# Altium PCB RockerBox_Rev01.PcbDoc (part 2 of 8) (continued)
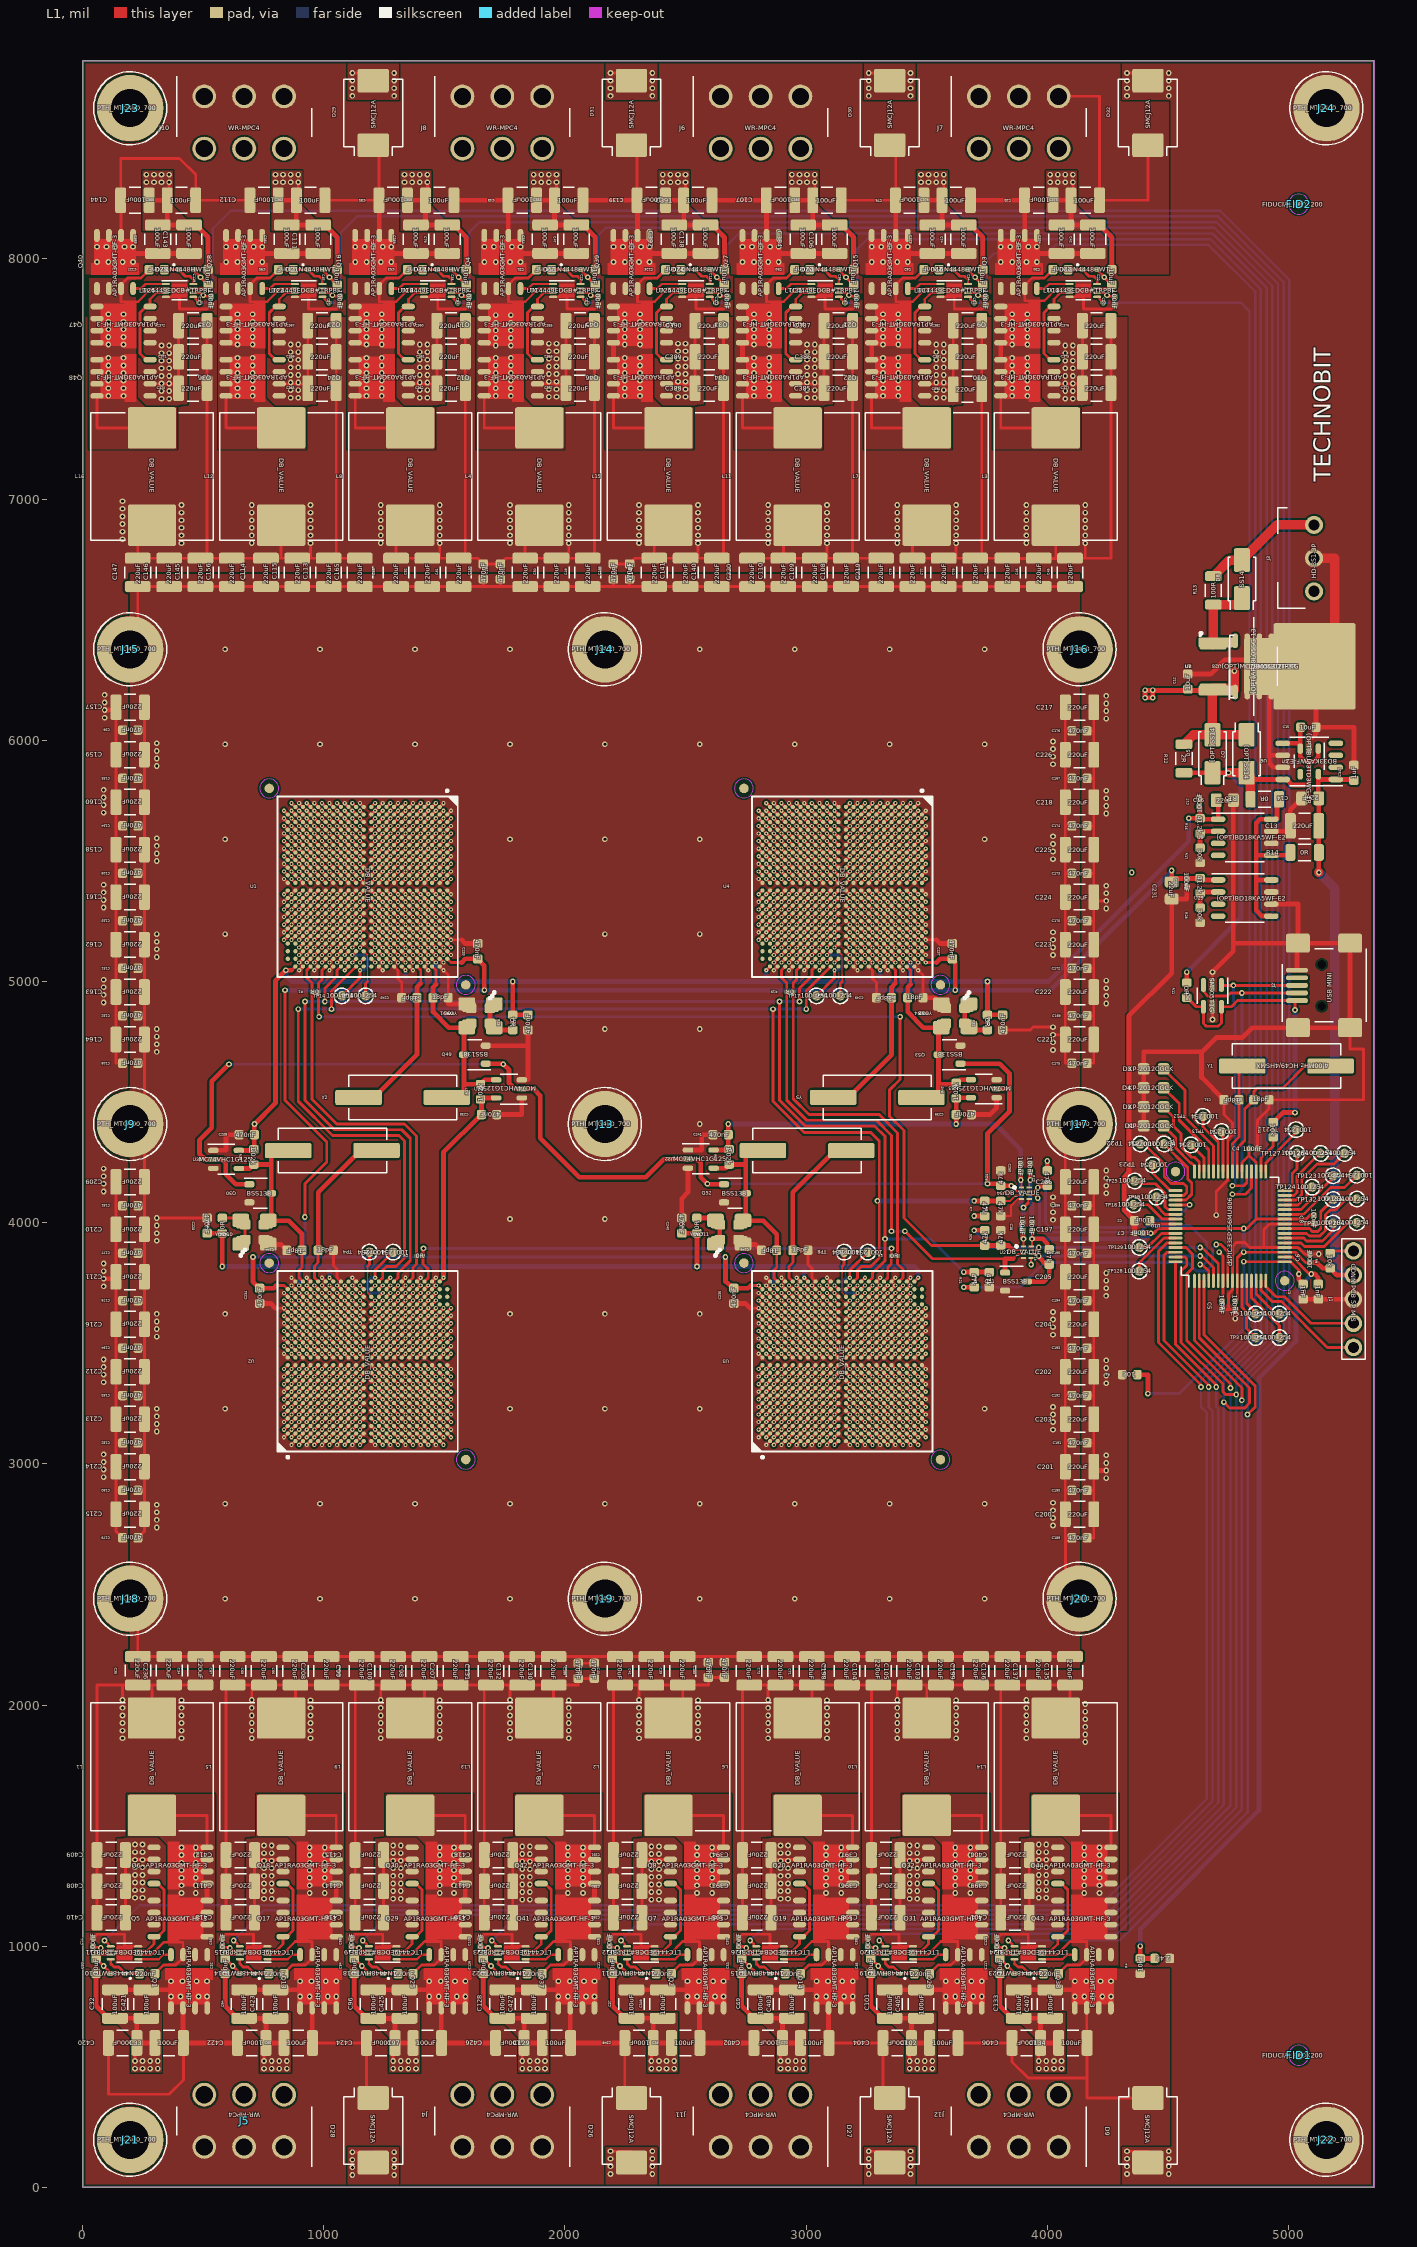
[diagram p0: L1 view]
## Components (designator, comment, footprint, x,y, rotation, side; value= is the part's Value field where it differs from the comment) (continued)
R2 "0R" SMD_0201_RESC0603X26N 1397.64,3862.2 r0 top
R3 "0R" SMD_0201_RESC0603X26N 3366.14,3862.2 r0 top
R4 "10k" SMD_0603_RESC1608X55N 4385.83,917.32 r90 top
R5 "2.4k" SMD_0603_RESC1608X55N 4476.38,948.82 r180 top
R6 "10k" SMD_0603_RESC1608X55N 4342.52,3370.08 r180 top
R7 "47k" SMD_0603_RESC1608X55N 3740.35,4059.06 r270 top
R8 "47k" SMD_0603_RESC1608X55N 3807.28,4059.06 r270 top
R9 "10k" SMD_0603_RESC1608X55N 5173.23,3842.52 r270 top
R10 "10k" SMD_0603_RESC1608X55N 4937.01,4385.83 r270 top
R11 "0R" SMD_0603_RESC1608X55N 4578.74,4964.57 r270 top
R12 "2R" SMD_1206_RESC3216X65N 4566.93,5925.2 r270 top
R13 "100R" SMD_1206_RESC3216X65N 4688.98,6622.05 r90 top
R14 "0R" SMD_1206_RESC3216X65N 5066.93,5535.43 r0 top
R15 "0R" SMD_1206_RESC3216X65N 4901.57,5755.91 r180 top
R16 "41.2k" SMD_0603_RESC1608X55N 4633.86,5645.67 r270 top
R17 "30k" SMD_0603_RESC1608X55N 4633.86,5523.62 r270 top
R18 "47k" SMD_0603_RESC1608X55N 4008.07,3858.27 r270 top
R19 "0R" SMD_0201_RESC0603X26N 2933.07,4956.69 r180 top
R20 "47k" SMD_0603_RESC1608X55N 3740.35,3937.01 r90 top
R21 "47k" SMD_0603_RESC1608X55N 3696.85,3763.78 r270 top
R22 "47k" SMD_0603_RESC1608X55N 3807.28,3937.01 r90 top
R23 "47k" SMD_0603_RESC1608X55N 4000.2,4185.04 r270 top
R24 "47k" SMD_0603_RESC1608X55N 3807.09,4185.04 r90 top
R25 "0R" SMD_0603_RESC1608X55N 1783.46,4830.71 r270 top
R26 "0R" SMD_0603_RESC1608X55N 578.74,3988.19 r90 top
R27 "41.2k" SMD_0603_RESC1608X55N 4633.86,5397.64 r270 top
R28 "30k" SMD_0603_RESC1608X55N 4633.86,5275.59 r270 top
R29 "47k" SMD_0603_RESC1608X55N 3759.84,3763.78 r270 top
R30 "0R" SMD_0603_RESC1608X55N 2547.24,3988.19 r90 top
R31 "0R" SMD_0603_RESC1608X55N 3751.97,4830.71 r270 top
R37 "1.02k" SMD_0603_RESC1608X55N 1649.61,4543.31 r90 top
R39 "1.02k" SMD_0603_RESC1608X55N 710.22,4273.06 r270 top
R41 "1.02k" SMD_0603_RESC1608X55N 2681.1,4273.06 r270 top
R43 "1.02k" SMD_0603_RESC1608X55N 3622.19,4548.11 r90 top
TP1 "100_254" SMD_TP_100-254 1173.23,4940.94 r0 top
TP2 "100_254" SMD_TP_100-254 5283.46,4196.85 r180 top
TP3 "100_254" SMD_TP_100-254 4864.17,3523.62 r0 top
TP4 "100_254" SMD_TP_100-254 1188.98,3877.95 r180 top
TP5 "100_254" SMD_TP_100-254 4864.17,3622.05 r0 top
TP6 "100_254" SMD_TP_100-254 4962.6,3523.62 r0 top
TP7 "100_254" SMD_TP_100-254 4962.6,3622.05 r0 top
TP8 "100_254" SMD_TP_100-254 3157.48,3877.95 r180 top
TP9 "100_254" SMD_TP_100-254 3141.73,4940.94 r0 top
TP10 "100_254" SMD_TP_100-254 5283.46,4000 r0 top
TP11 "100_254" SMD_TP_100-254 5185.04,3998.03 r0 top
TP12 "100_254" SMD_TP_100-254 4645.67,4440.94 r180 top
TP13 "100_254" SMD_TP_100-254 4722.44,4377.95 r180 top
TP14 "100_254" SMD_TP_100-254 1074.8,4940.94 r0 top
TP15 "100_254" SMD_TP_100-254 1287.4,3877.95 r180 top
TP16 "100_254" SMD_TP_100-254 3255.91,3877.95 r180 top
TP17 "100_254" SMD_TP_100-254 3043.31,4940.94 r0 top
TP18 "100_254" SMD_TP_100-254 4358.27,4074.8 r0 top
TP19 "100_254" SMD_TP_100-254 4452.76,4106.3 r0 top
TP20 "100_254" SMD_TP_100-254 4484.25,4326.77 r0 top
TP21 "100_254" SMD_TP_100-254 5031.5,4385.83 r180 top
TP22 "100_254" SMD_TP_100-254 4385.83,4326.77 r180 top
TP23 "100_254" SMD_TP_100-254 4437.01,4240.16 r180 top
TP24 "100_254" SMD_TP_100-254 4596.46,4322.83 r180 top
TP25 "100_254" SMD_TP_100-254 4362.2,4173.23 r0 top
TP123 "100_254" SMD_TP_100-254 5185.04,4194.88 r0 top
TP124 "100_254" SMD_TP_100-254 5098.43,4147.64 r0 top
TP125 "100_254" SMD_TP_100-254 5232.28,4287.4 r0 top
TP126 "100_254" SMD_TP_100-254 5133.86,4287.4 r0 top
TP127 "100_254" SMD_TP_100-254 5035.43,4287.4 r0 top
TP128 "100_254" SMD_TP_100-254 4381.89,3799.21 r0 top
TP129 "100_254" SMD_TP_100-254 4381.89,3897.64 r0 top
TP131 "100_254" SMD_TP_100-254 5283.46,4098.43 r0 top
TP132 "100_254" SMD_TP_100-254 5185.04,4096.46 r0 top
U1 "DB_VALUE" SMD_BGA480C80P22X22 1181.1,5393.7 r270 top
U2 "DB_VALUE" SMD_BGA480C80P22X22 1181.1,3425.2 r90 top
U3 "DB_VALUE" SMD_BGA480C80P22X22 3149.61,3425.2 r90 top
U4 "DB_VALUE" SMD_BGA480C80P22X22 3149.61,5393.7 r270 top
U5 "(OPT)BU33TD3WG-TR" SMD_SOT95P280X135-5N 5086.61,5913.39 r270 top
U6 "BD33KA5WF-E2" SMD_SOIC127P620X160-8N 5086.61,5913.39 r180 top
U7 "L7805CD2T-TR" SMD_TO254P1542X460-3_4N 4952.76,6307.09 r0 top
U8 "(OPT)MC78M05BDTRKG" SMD_TO229P991X239-4N_DPAK 4850.39,6307.09 r0 top
U9 "(OPT)BD18KA5WF-E2" SMD_SOIC127P620X160-8N 4818.9,5598.43 r0 top
U10 "dsPIC33EP256MU806" SMD_QFP50P1200X1200X120-64N 4758.17,3985.55 r90 top
U11 "LTC4449EDCB#TRPBF" SMD_SON45P300X200X80-9N 173.23,972.44 r180 top
U12 "LTC4449EDCB#TRPBF" SMD_SON45P300X200X80-9N 2314.96,972.44 r180 top
U13 "LTC4449EDCB#TRPBF" SMD_SON45P300X200X80-9N 4149.61,7866.14 r0 top
U14 "LTC4449EDCB#TRPBF" SMD_SON45P300X200X80-9N 2007.87,7866.14 r0 top
U15 "LTC4449EDCB#TRPBF" SMD_SON45P300X200X80-9N 708.66,972.44 r180 top
U16 "LTC4449EDCB#TRPBF" SMD_SON45P300X200X80-9N 2850.39,972.44 r180 top
U17 "LTC4449EDCB#TRPBF" SMD_SON45P300X200X80-9N 3614.17,7866.14 r0 top
U18 "LTC4449EDCB#TRPBF" SMD_SON45P300X200X80-9N 1472.44,7866.14 r0 top
U19 "LTC4449EDCB#TRPBF" SMD_SON45P300X200X80-9N 1244.09,972.44 r180 top
U20 "LTC4449EDCB#TRPBF" SMD_SON45P300X200X80-9N 3385.83,972.44 r180 top
U21 "LTC4449EDCB#TRPBF" SMD_SON45P300X200X80-9N 3078.74,7866.14 r0 top
U22 "LTC4449EDCB#TRPBF" SMD_SON45P300X200X80-9N 937.01,7866.14 r0 top
U23 "LTC4449EDCB#TRPBF" SMD_SON45P300X200X80-9N 1779.53,972.44 r180 top
U24 "LTC4449EDCB#TRPBF" SMD_SON45P300X200X80-9N 3921.26,972.44 r180 top
U25 "LTC4449EDCB#TRPBF" SMD_SON45P300X200X80-9N 2543.31,7866.14 r0 top
U26 "LTC4449EDCB#TRPBF" SMD_SON45P300X200X80-9N 401.57,7866.14 r0 top
U27 "DB_VALUE" SMD_PSON40P120X180X40-8N 3917.52,3877.95 r0 top
U28 "(OPT)AP78L05SG-13" SMD_SOIC127P600X175-8N 4854.33,6307.09 r90 top
U29 "(OPT)BD18KA5WF-E2" SMD_SOIC127P620X160-8N 4818.9,5346.46 r0 top
U30 "MC74VHC1G125" SMD_SOT95P280X110-5N 1767.72,4555.12 r180 top
U31 "MC74VHC1G125" SMD_SOT95P280X110-5N 594.52,4262.78 r0 top
U32 "MC74VHC1G125" SMD_SOT95P280X110-5N 2563.02,4263.78 r0 top
U33 "MC74VHC1G125" SMD_SOT95P280X110-5N 3736.82,4555.64 r180 top
U34 "DB_VALUE" SMD_PSON40P120X180X40-8N 3909.45,4122.05 r0 top
Y1 "4.00MHz HC49/4HSMX" SMD_HC49_XTAL1140X480X420N 4992.13,4649.61 r180 top
Y2 "" SMD_HC49_XTAL1140X480X420N 1326.77,4519.68 r180 top
Y3 "" SMD_HC49_XTAL1140X480X420N 1035.43,4299.21 r0 top
Y4 "" SMD_HC49_XTAL1140X480X420N 3003.94,4299.21 r0 top
Y5 "" SMD_HC49_XTAL1140X480X420N 3295.28,4519.68 r180 top
YO1 "" SMD_OSCCF320X400X90-4N 1649.61,4858.27 r270 top
YO2 "" SMD_OSCCF320X400X90-4N 712.6,3960.63 r90 top
YO3 "" SMD_OSCCF320X400X90-4N 2681.1,3960.63 r90 top
YO4 "" SMD_OSCCF320X400X90-4N 3618.11,4858.27 r270 top
YO5 "" SMD_OSCCF250X320X90-4N 1649.61,4858.27 r270 top
YO6 "" SMD_OSCCF250X320X90-4N 712.6,3960.63 r90 top
YO7 "" SMD_OSCCF250X320X90-4N 2681.1,3960.63 r90 top
YO8 "" SMD_OSCCF250X320X90-4N 3618.11,4858.27 r270 top
YO9 "" SMD_OSCCF200X250X90-4N 1649.61,4858.27 r270 top
YO10 "" SMD_OSCCF200X250X90-4N 712.6,3960.63 r90 top
YO11 "" SMD_OSCCF200X250X90-4N 2681.1,3960.63 r90 top
YO12 "" SMD_OSCCF200X250X90-4N 3618.11,4858.27 r270 top

## Footprints (in the part's own frame and the unit in brackets; to place one, negate y for a bottom-side part, rotate by r counter-clockwise, add the part's x,y. Pads: shape width x height; smd on the part's side, far side on the other; paste and mask are expansions set on the pad)
FID100X200 [mm]
  round 1 smd paste-0.5 mask+0.5: 1(0,0)
  L1 keep-out region: 1.05,0 0.969,0.406 0.74,0.749 0.396,0.979 -0.01,1.06 -0.01,1.06 -0.415,0.979 -0.759,0.749 -0.989,0.406 -1.069,0 -1.069,0 -0.989,-0.406 -0.759,-0.749 -0.415,-0.979 -0.01,-1.06 -0.01,-1.06 0.396,-0.979 0.74,-0.749 0.969,-0.406 1.05,0
PTH_CON_HD-351-3P [mm]
  round 1.9 hole 1.2 mask+0.075: 1(-3.5,0) 2(0,0) 3(3.5,0)
  silkscreen extent -5.3,0.95 5.3,3.8, body extent -5.25,-3.75 5.25,3.75, height 8.7
PTH_CON_WR-MRC4-6P_S [mm]
  round 2.5 hole 1.8 mask+0.075: 1(-4.2,2.75) 2(0,2.75) 3(4.2,2.75) 4(-4.2,-2.75) 5(0,-2.75) 6(4.2,-2.75)
  silkscreen extent -7.1,-1.5 7.1,4.85, body extent -7.25,-6.3 6.95,4.8, height 12.8
PTH_HDRV05W64P254_1X05 [mm]
  round 1.85 hole 1.15 mask+0.075: 1(-5.08,0) 2(-2.54,0) 3(0,0) 4(2.54,0) 5(5.08,0)
  silkscreen extent -6.35,-1.25 6.35,1.25, body extent -6.35,-1.25 6.35,1.25, height 8
PTH_MTG400_700 [mm]
  round 7 / inner round 5 / far side round 7 hole 4 mask+0.075: 1(0,0)
  silkscreen extent -3.85,-3.85 3.85,3.85
SMD_0201_RESC0603X26N [mm]
  rrect48% 0.44x0.42 smd mask+0.075: 1(-0.34,0) 2(0.34,0)
  body extent -0.3,-0.15 0.3,0.15, height 0.26
SMD_0402_CAPC1005X55N [mm]
  rrect48% 0.62x0.62 smd mask+0.075: 1(-0.45,0) 2(0.45,0)
  body extent -0.5,-0.25 0.5,0.25, height 0.55
SMD_0603_CAPC1608X95N [mm]
  rrect42% 0.95x1 smd mask+0.075: 1(-0.8,0) 2(0.8,0)
  body extent -0.8,-0.4 0.8,0.4, height 0.95
SMD_0603_RESC1608X55N [mm]
  rrect44% 0.9x1 smd mask+0.075: 1(-0.8,0) 2(0.8,0)
  body extent -0.8,-0.4 0.8,0.4, height 0.55
SMD_0805_CAPC2012X145N [mm]
  rrect35% 1.15x1.45 smd mask+0.075: 1(-0.9,0) 2(0.9,0)
  body extent -1,-0.6 1,0.6, height 1.45
SMD_0805_LED2012X100N [mm]
  rrect33% 1.2x1.2 smd mask+0.075: 1(-1.05,0) 2(1.05,0)
  body extent -1,-0.62 1,0.63, height 0.98
SMD_1206_RESC3216X65N [mm]
  rrect38% 1.05x1.75 smd mask+0.075: 1(-1.5,0) 2(1.5,0)
  silkscreen extent -0.65,-0.85 0.65,0.85, body extent -1.6,-0.8 1.6,0.8, height 0.65
SMD_1210_CAPC3225X270N [mm]
  rrect35% 1.15x2.7 smd mask+0.075: 1(-1.5,0) 2(1.5,0)
  silkscreen extent -0.6,-1.35 0.6,1.35, body extent -1.6,-1.25 1.6,1.25, height 2.7
SMD_1210_CAPC3225X279N [mm]
  rrect35% 1.15x2.7 smd mask+0.075: 1(-1.5,0) 2(1.5,0)
  silkscreen extent -0.6,-1.35 0.6,1.35, body extent -1.6,-1.25 1.6,1.25, height 2.79
SMD_BGA480C80P22X22 [mm]
  round 0.45 smd: A2(-7.6,8.4) A3(-6.8,8.4) A4(-6,8.4) A5(-5.2,8.4) A6(-4.4,8.4) A7(-3.6,8.4) A8(-2.8,8.4) A9(-2,8.4) A10(-1.2,8.4) A11(-0.4,8.4) A12(0.4,8.4) A13(1.2,8.4) A14(2,8.4) A15(2.8,8.4) A16(3.6,8.4) A17(4.4,8.4) A18(5.2,8.4) A19(6,8.4) A20(6.8,8.4) A21(7.6,8.4) AA1(-8.4,-7.6) AA2(-7.6,-7.6) AA3(-6.8,-7.6) AA4(-6,-7.6) AA5(-5.2,-7.6) AA6(-4.4,-7.6) AA7(-3.6,-7.6) AA8(-2.8,-7.6) AA9(-2,-7.6) AA10(-1.2,-7.6) AA11(-0.4,-7.6) AA12(0.4,-7.6) AA13(1.2,-7.6) AA14(2,-7.6) AA15(2.8,-7.6) AA16(3.6,-7.6) AA17(4.4,-7.6) AA18(5.2,-7.6) AA19(6,-7.6) AA20(6.8,-7.6) AA21(7.6,-7.6) AA22(8.4,-7.6) AB2(-7.6,-8.4) AB3(-6.8,-8.4) AB4(-6,-8.4) AB5(-5.2,-8.4) AB6(-4.4,-8.4) AB7(-3.6,-8.4) AB8(-2.8,-8.4) AB9(-2,-8.4) AB10(-1.2,-8.4) AB11(-0.4,-8.4) AB12(0.4,-8.4) AB13(1.2,-8.4) AB14(2,-8.4) AB15(2.8,-8.4) AB16(3.6,-8.4) AB17(4.4,-8.4) AB18(5.2,-8.4) AB19(6,-8.4) AB20(6.8,-8.4) AB21(7.6,-8.4) B1(-8.4,7.6) B2(-7.6,7.6) B3(-6.8,7.6) B4(-6,7.6) B5(-5.2,7.6) B6(-4.4,7.6) B7(-3.6,7.6) B8(-2.8,7.6) B9(-2,7.6) B10(-1.2,7.6) B11(-0.4,7.6) B12(0.4,7.6) B13(1.2,7.6) B14(2,7.6) B15(2.8,7.6) B16(3.6,7.6) B17(4.4,7.6) B18(5.2,7.6) B19(6,7.6) B20(6.8,7.6) B21(7.6,7.6) B22(8.4,7.6) C1(-8.4,6.8) C2(-7.6,6.8) C3(-6.8,6.8) C4(-6,6.8) C5(-5.2,6.8) C6(-4.4,6.8) C7(-3.6,6.8) C8(-2.8,6.8) C9(-2,6.8) C10(-1.2,6.8) C11(-0.4,6.8) C12(0.4,6.8) C13(1.2,6.8) C14(2,6.8) C15(2.8,6.8) C16(3.6,6.8) C17(4.4,6.8) C18(5.2,6.8) C19(6,6.8) C20(6.8,6.8) C21(7.6,6.8) C22(8.4,6.8) D1(-8.4,6) D2(-7.6,6) D3(-6.8,6) D4(-6,6) D5(-5.2,6) D6(-4.4,6) D7(-3.6,6) D8(-2.8,6) D9(-2,6) D10(-1.2,6) D11(-0.4,6) D12(0.4,6) D13(1.2,6) D14(2,6) D15(2.8,6) D16(3.6,6) D17(4.4,6) D18(5.2,6) D19(6,6) D20(6.8,6) D21(7.6,6) D22(8.4,6) E1(-8.4,5.2) E2(-7.6,5.2) E3(-6.8,5.2) E4(-6,5.2) E5(-5.2,5.2) E6(-4.4,5.2) E7(-3.6,5.2) E8(-2.8,5.2) E9(-2,5.2) E10(-1.2,5.2) E11(-0.4,5.2) E12(0.4,5.2) E13(1.2,5.2) E14(2,5.2) E15(2.8,5.2) E16(3.6,5.2) E17(4.4,5.2) E18(5.2,5.2) E19(6,5.2) E20(6.8,5.2) E21(7.6,5.2) E22(8.4,5.2) F1(-8.4,4.4) F2(-7.6,4.4) F3(-6.8,4.4) F4(-6,4.4) F5(-5.2,4.4) F6(-4.4,4.4) F7(-3.6,4.4) F8(-2.8,4.4) F9(-2,4.4) F10(-1.2,4.4) F11(-0.4,4.4) F12(0.4,4.4) F13(1.2,4.4) F14(2,4.4) F15(2.8,4.4) F16(3.6,4.4) F17(4.4,4.4) F18(5.2,4.4) F19(6,4.4) F20(6.8,4.4) F21(7.6,4.4) F22(8.4,4.4) G1(-8.4,3.6) G2(-7.6,3.6) G3(-6.8,3.6) G4(-6,3.6) G5(-5.2,3.6) G6(-4.4,3.6) G7(-3.6,3.6) G8(-2.8,3.6) G9(-2,3.6) G10(-1.2,3.6) G11(-0.4,3.6) G12(0.4,3.6) G13(1.2,3.6) G14(2,3.6) G15(2.8,3.6) G16(3.6,3.6) G17(4.4,3.6) G18(5.2,3.6) G19(6,3.6) G20(6.8,3.6) G21(7.6,3.6) G22(8.4,3.6) H1(-8.4,2.8) H2(-7.6,2.8) H3(-6.8,2.8) H4(-6,2.8) H5(-5.2,2.8) H6(-4.4,2.8) H7(-3.6,2.8) H8(-2.8,2.8) H9(-2,2.8) H10(-1.2,2.8) H11(-0.4,2.8) H12(0.4,2.8) H13(1.2,2.8) H14(2,2.8) H15(2.8,2.8) H16(3.6,2.8) H17(4.4,2.8) H18(5.2,2.8) H19(6,2.8) H20(6.8,2.8) H21(7.6,2.8) H22(8.4,2.8) J1(-8.4,2) J2(-7.6,2) J3(-6.8,2) J4(-6,2) J5(-5.2,2) J6(-4.4,2) J7(-3.6,2) J8(-2.8,2) J9(-2,2) J10(-1.2,2) J11(-0.4,2) J12(0.4,2) J13(1.2,2) J14(2,2) J15(2.8,2) J16(3.6,2) J17(4.4,2) J18(5.2,2) J19(6,2) J20(6.8,2) J21(7.6,2) J22(8.4,2) K1(-8.4,1.2) K2(-7.6,1.2) K3(-6.8,1.2) K4(-6,1.2) K5(-5.2,1.2) K6(-4.4,1.2) K7(-3.6,1.2) K8(-2.8,1.2) K9(-2,1.2) K10(-1.2,1.2) K11(-0.4,1.2) K12(0.4,1.2) K13(1.2,1.2) K14(2,1.2) K15(2.8,1.2) K16(3.6,1.2) K17(4.4,1.2) K18(5.2,1.2) K19(6,1.2) K20(6.8,1.2) K21(7.6,1.2) K22(8.4,1.2) L1(-8.4,0.4) L2(-7.6,0.4) L3(-6.8,0.4) L4(-6,0.4) L5(-5.2,0.4) L6(-4.4,0.4) L7(-3.6,0.4) L8(-2.8,0.4) L9(-2,0.4) L10(-1.2,0.4) L11(-0.4,0.4) L12(0.4,0.4) L13(1.2,0.4) L14(2,0.4) L15(2.8,0.4) L16(3.6,0.4) L17(4.4,0.4) L18(5.2,0.4) L19(6,0.4) L20(6.8,0.4) L21(7.6,0.4) L22(8.4,0.4) M1(-8.4,-0.4) M2(-7.6,-0.4) M3(-6.8,-0.4) M4(-6,-0.4) M5(-5.2,-0.4) M6(-4.4,-0.4) M7(-3.6,-0.4) M8(-2.8,-0.4) M9(-2,-0.4) M10(-1.2,-0.4) M11(-0.4,-0.4) M12(0.4,-0.4) M13(1.2,-0.4) M14(2,-0.4) M15(2.8,-0.4) M16(3.6,-0.4) M17(4.4,-0.4) M18(5.2,-0.4) M19(6,-0.4) M20(6.8,-0.4) M21(7.6,-0.4) M22(8.4,-0.4) N1(-8.4,-1.2) N2(-7.6,-1.2) N3(-6.8,-1.2) N4(-6,-1.2) N5(-5.2,-1.2) N6(-4.4,-1.2) N7(-3.6,-1.2) N8(-2.8,-1.2) N9(-2,-1.2) N10(-1.2,-1.2) N11(-0.4,-1.2) N12(0.4,-1.2) N13(1.2,-1.2) N14(2,-1.2) N15(2.8,-1.2) N16(3.6,-1.2) N17(4.4,-1.2) N18(5.2,-1.2) N19(6,-1.2) N20(6.8,-1.2) N21(7.6,-1.2) N22(8.4,-1.2) P1(-8.4,-2) P2(-7.6,-2) P3(-6.8,-2) P4(-6,-2) P5(-5.2,-2) P6(-4.4,-2) P7(-3.6,-2) P8(-2.8,-2) P9(-2,-2) P10(-1.2,-2) P11(-0.4,-2) P12(0.4,-2) P13(1.2,-2) P14(2,-2) P15(2.8,-2) P16(3.6,-2) P17(4.4,-2) P18(5.2,-2) P19(6,-2) P20(6.8,-2) P21(7.6,-2) P22(8.4,-2) R1(-8.4,-2.8) R2(-7.6,-2.8) R3(-6.8,-2.8) R4(-6,-2.8) R5(-5.2,-2.8) R6(-4.4,-2.8) R7(-3.6,-2.8) R8(-2.8,-2.8) R9(-2,-2.8) R10(-1.2,-2.8) R11(-0.4,-2.8) R12(0.4,-2.8) R13(1.2,-2.8) R14(2,-2.8) R15(2.8,-2.8) R16(3.6,-2.8) R17(4.4,-2.8) R18(5.2,-2.8) R19(6,-2.8) R20(6.8,-2.8) R21(7.6,-2.8) R22(8.4,-2.8) T1(-8.4,-3.6) T2(-7.6,-3.6) T3(-6.8,-3.6) T4(-6,-3.6) T5(-5.2,-3.6) T6(-4.4,-3.6) T7(-3.6,-3.6) T8(-2.8,-3.6) T9(-2,-3.6) T10(-1.2,-3.6) T11(-0.4,-3.6) T12(0.4,-3.6) T13(1.2,-3.6) T14(2,-3.6) T15(2.8,-3.6) T16(3.6,-3.6) T17(4.4,-3.6) T18(5.2,-3.6) T19(6,-3.6) T20(6.8,-3.6) T21(7.6,-3.6) T22(8.4,-3.6) U1(-8.4,-4.4) U2(-7.6,-4.4) U3(-6.8,-4.4) U4(-6,-4.4) U5(-5.2,-4.4) U6(-4.4,-4.4) U7(-3.6,-4.4) U8(-2.8,-4.4) U9(-2,-4.4) U10(-1.2,-4.4) U11(-0.4,-4.4) U12(0.4,-4.4) U13(1.2,-4.4) U14(2,-4.4) U15(2.8,-4.4) U16(3.6,-4.4) U17(4.4,-4.4) U18(5.2,-4.4) U19(6,-4.4) U20(6.8,-4.4) U21(7.6,-4.4) U22(8.4,-4.4) V1(-8.4,-5.2) V2(-7.6,-5.2) V3(-6.8,-5.2) V4(-6,-5.2) V5(-5.2,-5.2) V6(-4.4,-5.2) V7(-3.6,-5.2) V8(-2.8,-5.2) V9(-2,-5.2) V10(-1.2,-5.2) V11(-0.4,-5.2) V12(0.4,-5.2) V13(1.2,-5.2) V14(2,-5.2) V15(2.8,-5.2) V16(3.6,-5.2) V17(4.4,-5.2) V18(5.2,-5.2) V19(6,-5.2) V20(6.8,-5.2) V21(7.6,-5.2) V22(8.4,-5.2) W1(-8.4,-6) W2(-7.6,-6) W3(-6.8,-6) W4(-6,-6) W5(-5.2,-6) W6(-4.4,-6) W7(-3.6,-6) W8(-2.8,-6) W9(-2,-6) W10(-1.2,-6) W11(-0.4,-6) W12(0.4,-6) W13(1.2,-6) W14(2,-6) W15(2.8,-6) W16(3.6,-6) W17(4.4,-6) W18(5.2,-6) W19(6,-6) W20(6.8,-6) W21(7.6,-6) W22(8.4,-6) Y1(-8.4,-6.8) Y2(-7.6,-6.8) Y3(-6.8,-6.8) Y4(-6,-6.8) Y5(-5.2,-6.8) Y6(-4.4,-6.8) Y7(-3.6,-6.8) Y8(-2.8,-6.8) Y9(-2,-6.8) Y10(-1.2,-6.8) Y11(-0.4,-6.8) Y12(0.4,-6.8) Y13(1.2,-6.8) Y14(2,-6.8) Y15(2.8,-6.8) Y16(3.6,-6.8) Y17(4.4,-6.8) Y18(5.2,-6.8) Y19(6,-6.8) Y20(6.8,-6.8) Y21(7.6,-6.8) Y22(8.4,-6.8)
  round 1 smd mask+0.5: FID1(-10.35,-10.35) FID2(10.35,10.35)
  L1 keep-out region: 11.35,10.35 11.274,10.733 11.057,11.057 10.733,11.274 10.35,11.35 10.35,11.35 9.967,11.274 9.643,11.057 9.426,10.733 9.35,10.35 9.35,10.35 9.426,9.967 9.643,9.643 9.967,9.426 10.35,9.35 10.35,9.35 10.733,9.426 11.057,9.643 11.274,9.967 11.35,10.35
  L1 keep-out region: -9.35,-10.35 -9.426,-9.967 -9.643,-9.643 -9.967,-9.426 -10.35,-9.35 -10.35,-9.35 -10.733,-9.426 -11.057,-9.643 -11.274,-9.967 -11.35,-10.35 -11.35,-10.35 -11.274,-10.733 -11.057,-11.057 -10.733,-11.274 -10.35,-11.35 -10.35,-11.35 -9.967,-11.274 -9.643,-11.057 -9.426,-10.733 -9.35,-10.35
  silkscreen extent -10.22,-9.5 9.5,9.5, body extent -9.5,-9.5 9.5,9.5, height 2.59
SMD_CON-CVILUX-CU04-SCM15B0 [mm]
  rrect80% 0.5x2.3 smd mask+0.075: 1(-1.6,2.6) 2(-0.8,2.6) 3(0,2.6) 4(0.8,2.6) 5(1.6,2.6)
  rrect20% 2x2.5 smd mask+0.075: 6(4.45,2.5) 7(4.45,-3) 8(-4.45,-3) 9(-4.45,2.5)
  round 0.5 hole 0.9 unplated mask+0.275: 10(-2.2,0) 11(2.2,0)
  silkscreen extent -3.85,-4.7 3.85,4.15, body extent -4.95,-5.9 4.95,3.1, height 3.95
SMD_DO214AC_SMA [mm]
  rrect24% 2.5x1.7 smd mask+0.075: 1(-2,0) 2(2,0)
  silkscreen extent -3.25,-1.45 2.3,1.45, body extent -2.64,-1.39 2.64,1.4, height 2.29
SMD_DO214AC_SMC [mm]
  rrect16% 2.5x3.3 smd mask+0.075: 1(-3.4,0) 2(3.4,0)
  silkscreen extent -4.5,-3.1 3.55,3.1, body extent -4.06,-3.11 4.07,3.11, height 2.62
SMD_HC49_XTAL1140X480X420N [mm]
  rrect25% 4.9x1.6 smd mask+0.075: 1(-4.65,0) 2(4.65,0)
  silkscreen extent -5.7,-2.35 5.7,2.35, body extent -6.5,-2.4 6.5,2.4, height 4.2
SMD_OSCCF200X250X90-4N [mm]
  rrect38% 1.05x1.15 smd mask+0.075: 1(-0.8,1) 2(-0.8,-1) 3(0.8,-1) 4(0.8,1)
  silkscreen extent -1.97,0.88 -1.73,1.13, body extent -1.07,-1.32 1.07,1.32, height 0.9
SMD_OSCCF250X320X90-4N [mm]
  rrect33% 1.2x1.4 smd mask+0.075: 1(-1,1.25) 2(-1,-1.25) 3(1,-1.25) 4(1,1.25)
  silkscreen extent -2.22,1.13 -1.98,1.38, body extent -1.32,-1.67 1.32,1.67, height 0.9
SMD_OSCCF320X400X90-4N [mm]
  rrect29% 1.4x1.75 smd mask+0.075: 1(-1.25,1.45) 2(-1.25,-1.45) 3(1.25,-1.45) 4(1.25,1.45)
  silkscreen extent -2.57,1.33 -2.33,1.58, body extent -1.67,-2.07 1.67,2.07, height 0.9
SMD_PSON40P120X180X40-8N [mm]
  rect 0.55x0.2 smd mask+0.05: 1(-0.4,0.6) 2(-0.4,0.2) 3(-0.4,-0.2) 4(-0.4,-0.6) 5(0.4,-0.6) 6(0.4,-0.2) 7(0.4,0.2) 8(0.4,0.6)
  silkscreen extent -1.27,0.48 -1.02,0.72, body extent -0.62,-0.92 0.62,0.92, height 0.4
SMD_QFP50P1200X1200X120-64N [mm]
  oval 1.5x0.3 smd mask+0.05: 1(-5.75,3.75) 2(-5.75,3.25) 3(-5.75,2.75) 4(-5.75,2.25) 5(-5.75,1.75) 6(-5.75,1.25) 7(-5.75,0.75) 8(-5.75,0.25) 9(-5.75,-0.25) 10(-5.75,-0.75) 11(-5.75,-1.25) 12(-5.75,-1.75) 13(-5.75,-2.25) 14(-5.75,-2.75) 15(-5.75,-3.25) 16(-5.75,-3.75) 33(5.75,-3.75) 34(5.75,-3.25) 35(5.75,-2.75) 36(5.75,-2.25) 37(5.75,-1.75) 38(5.75,-1.25) 39(5.75,-0.75) 40(5.75,-0.25) 41(5.75,0.25) 42(5.75,0.75) 43(5.75,1.25) 44(5.75,1.75) 45(5.75,2.25) 46(5.75,2.75) 47(5.75,3.25) 48(5.75,3.75)
  oval 0.3x1.5 smd mask+0.05: 17(-3.75,-5.75) 18(-3.25,-5.75) 19(-2.75,-5.75) 20(-2.25,-5.75) 21(-1.75,-5.75) 22(-1.25,-5.75) 23(-0.75,-5.75) 24(-0.25,-5.75) 25(0.25,-5.75) 26(0.75,-5.75) 27(1.25,-5.75) 28(1.75,-5.75) 29(2.25,-5.75) 30(2.75,-5.75) 31(3.25,-5.75) 32(3.75,-5.75) 49(3.75,5.75) 50(3.25,5.75) 51(2.75,5.75) 52(2.25,5.75) 53(1.75,5.75) 54(1.25,5.75) 55(0.75,5.75) 56(0.25,5.75) 57(-0.25,5.75) 58(-0.75,5.75) 59(-1.25,5.75) 60(-1.75,5.75) 61(-2.25,5.75) 62(-2.75,5.75) 63(-3.25,5.75) 64(-3.75,5.75)
  round 1 smd paste-0.5 mask+0.5: 65(-5.75,-5.75) 66(5.75,5.75)
  L1 keep-out region: 6.75,5.75 6.674,6.133 6.457,6.457 6.133,6.674 5.75,6.75 5.75,6.75 5.367,6.674 5.043,6.457 4.826,6.133 4.75,5.75 4.75,5.75 4.826,5.367 5.043,5.043 5.367,4.826 5.75,4.75 5.75,4.75 6.133,4.826 6.457,5.043 6.674,5.367 6.75,5.75
  L1 keep-out region: -4.75,-5.75 -4.826,-5.367 -5.043,-5.043 -5.367,-4.826 -5.75,-4.75 -5.75,-4.75 -6.133,-4.826 -6.457,-5.043 -6.674,-5.367 -6.75,-5.75 -6.75,-5.75 -6.674,-6.133 -6.457,-6.457 -6.133,-6.674 -5.75,-6.75 -5.75,-6.75 -5.367,-6.674 -5.043,-6.457 -4.826,-6.133 -4.75,-5.75
  silkscreen extent -6.45,-5.15 5.15,5.15, body extent -6,-6 6,6, height 1.2
SMD_SOD523_SOD1608X65N [mm]
  rrect80% 0.65x0.5 smd mask+0.075: 1(-0.8,0) 2(0.8,0)
  silkscreen extent -1.45,0.35 -1.15,0.65, body extent -0.8,-0.4 0.8,0.4, height 0.7
SMD_SOIC127P600X110-9AN [mm]
  oval 1.4x0.6 smd mask+0.075: 1(-2.8,1.905) 2(-2.8,0.635) 3(-2.8,-0.635) 4(-2.8,-1.905) 5(2.8,-1.905) 6(2.8,-0.635) 7(2.8,0.635) 8(2.8,1.905)
  L1 region: -1.35,2.5 -0.15,2.5 -0.15,2.2 2.4,2.2 2.4,-2.2 -0.15,-2.2 -0.15,-2.5 -1.35,-2.5
  body extent -3.2,-2.45 3.2,2.45, height 1.1
SMD_SOIC127P600X175-8N [mm]
  oval 1.55x0.6 smd mask+0.075: 1(-2.7,1.905) 2(-2.7,0.635) 3(-2.7,-0.635) 4(-2.7,-1.905) 5(2.7,-1.905) 6(2.7,-0.635) 7(2.7,0.635) 8(2.7,1.905)
  silkscreen extent -3.5,-2.55 2.05,2.55, body extent -3,-2.5 3,2.5, height 1.75
SMD_SOIC127P620X160-8N [mm]
  oval 1.55x0.6 smd mask+0.075: 1(-2.8,1.905) 2(-2.8,0.635) 3(-2.8,-0.635) 4(-2.8,-1.905) 5(2.8,-1.905) 6(2.8,-0.635) 7(2.8,0.635) 8(2.8,1.905)
  silkscreen extent -3.5,-2.55 2.05,2.55, body extent -3.1,-2.5 3.1,2.5, height 1.7
SMD_SON45P300X200X80-9N [mm]
  oval 0.85x0.25 smd mask+0.05: 1(-1.45,0.675) 2(-1.45,0.225) 3(-1.45,-0.225) 4(-1.45,-0.675) 5(1.45,-0.675) 6(1.45,-0.225) 7(1.45,0.225) 8(1.45,0.675)
  round 0.2 smd: 9(0,0)
  L1 region: -0.8,0.725 0.8,0.725 0.8,-0.725 -0.8,-0.725
  silkscreen extent -1.85,-1 0.8,1, body extent -1.5,-1 1.5,1, height 0.85
SMD_SOT23_SOT95P240X112-3N [mm]
  rrect62% 1.05x0.65 smd mask+0.075: 1(-1.15,0.95) 2(-1.15,-0.95) 3(1.15,0)
  silkscreen extent -1.7,-1.6 0.75,1.6, body extent -1.2,-1.45 1.2,1.45, height 1.2
SMD_SOT95P280X110-5N [mm]
  rrect73% 1.1x0.55 smd mask+0.075: 1(-1.35,0.95) 2(-1.35,0) 3(-1.35,-0.95) 4(1.35,-0.95) 5(1.35,0.95)
  silkscreen extent -1.95,-1.55 0.9,1.6, body extent -1.4,-1.5 1.4,1.5, height 1.1
SMD_SOT95P280X135-5N [mm]
  rrect73% 1.1x0.55 smd mask+0.075: 1(-1.35,0.95) 2(-1.35,0) 3(-1.35,-0.95) 4(1.35,-0.95) 5(1.35,0.95)
  silkscreen extent -1.95,-1.6 0.9,1.6, body extent -1.4,-1.45 1.4,1.45, height 1.3
SMD_SOT457_SOT95P275X110-6N [mm]
  rrect80% 1.45x0.5 smd mask+0.075: 1(-1.15,0.95) 2(-1.15,0) 3(-1.15,-0.95) 4(1.15,-0.95) 5(1.15,0) 6(1.15,0.95)
  silkscreen extent -1.9,-1.6 0.85,1.6, body extent -1.37,-1.45 1.38,1.45, height 1.1
SMD_TO229P991X239-4N_DPAK [mm]
  rrect40% 2.85x1 smd mask+0.075: 1(-4.15,2.29) 3(-4.15,-2.29)
  rrect7% 6.45x6 smd paste-3.225 mask+0.075: 4(2.35,0)
  silkscreen extent -5.65,-3.3 -1.9,3.4, body extent -4.88,-3.27 4.88,3.27, height 2.38
SMD_TO254P1542X460-3_4N [mm]
  rrect38% 3.75x1.05 smd mask+0.075: 1(-6.4,2.54) 3(-6.4,-2.54)
  rrect5% 8.65x9.1 smd paste-4.55 mask+0.075: 4(3.95,0)
  silkscreen extent -8.12,-5.2 -2.45,5.2, body extent -7.65,-5.1 7.65,5.1, height 4.6
SMD_TP_100-254 [mm]
  round 1 smd paste-0.55 mask+0.075: 1(0,0)
  silkscreen extent -0.82,-0.82 0.82,0.82, body extent -0.5,-0.5 0.5,0.5, height 0.05
SMT_INDM135130X800N [mm]
  rrect9% 4.35x5.1 smd mask+0.075: 1(-5.125,0) 2(5.125,0)
  silkscreen extent -6.73,-6.48 6.73,6.48, body extent -6.26,-6.25 6.26,6.25, height 8

## Part data
C1 C3: library part CAP000024113
C2 C12 C15 C20 C21 C22 C23 C52 C53 C54 C55 C84 C85 C86 C87 C116 C117 C118 C119: library part CAP000043646
C4 C5 C6 C7 C8 C9 C17 C18 C24 C25 C26 C27 C56 C57 C58 C59 C88 C89 C90 C91 C120 C121 C122 C123 C168 C232 C250 C251: library part CAP000022751
C10 C11 C242 C243 C244 C245 C246 C247 C248 C249: library part CAP000031922
C13 C34 C35 C39 C40 C41 C44 C45 C46 C49 C50 C51 C66 C67 C68 C71 C72 C73 C76 C77 C78 C81 C82 C83 C98 C99 C100 C103 C104 C105 C108 C109 C110 C113 C114 C115 C130 C131 C132 C135 C136 C137 C140 C141 C142 C145 C146 C147 C156 C157 C158 C159 C160 C161 C162 C163 C164 C165 C197 C198 C199 C200 C201 C202 C203 C204 C205 C206 C207 C208 C209 C210 C211 C212 C213 C214 C215 C216 C217 C218 C219 C220 C221 C222 C223 C224 C225 C226 C236 C350 C351 C352 C355 C356 C357 C360 C361 C362 C365 C366 C367 C370 C371 C372 C375 C376 C377 C380 C381 C382 C385 C386 C387 C388 C389 C390 C393 C394 C395 C396 C397 C398 C399 C400 C401 C408 C409 C410 C411 C412 C413 C414 C415 C416 C417 C418 C419: library part CAP000047355
C14 C16 C231: library part CAP000043686
C19 C36 C148 C149 C150 C151 C152 C153 C154 C155 C166 C167 C169 C170 C171 C172 C173 C174 C175 C176 C177 C178 C179 C180 C181 C182 C183 C184 C185 C186 C187 C188 C189 C190 C191 C192 C193 C194 C195 C196 C227 C228 C229 C230 C233 C234 C235 C237 C238 C239 C240 C241: library part CAP000028169
C28 C29 C30 C31 C60 C61 C62 C63 C92 C93 C94 C95 C124 C125 C126 C127: library part CAP000022968
C32 C33 C37 C38 C42 C43 C47 C48 C64 C65 C69 C70 C74 C75 C79 C80 C96 C97 C101 C102 C106 C107 C111 C112 C128 C129 C133 C134 C138 C139 C143 C144 C348 C349 C353 C354 C358 C359 C363 C364 C368 C369 C373 C374 C378 C379 C383 C384 C391 C392 C402 C403 C404 C405 C406 C407 C420 C421 C422 C423 C424 C425 C426 C427: library part CAP000043701
C347: library part CAP000043344
D1 D2 D3 D4: library part OPT000000096
D5 D7 D8: library part DDE000000580
D6: library part DDE000002846
D9 D26 D27 D28 D29 D30 D31 D32: library part DDE000001725
D10 D11 D12 D13 D14 D15 D16 D17 D18 D19 D20 D21 D22 D23 D24 D25: library part DDE000001203
FID1 FID2: library part FID000000001
J1: library part CON000000006
J2: library part CON000000048
J3: library part CON000000272
J4 J5 J6 J7 J8 J10 J11 J12: library part CON000000279
J9 J13 J14 J15 J16 J17 J18 J19 J20 J21 J22 J23 J24: library part MTH000000030
L1 L2 L3 L4 L5 L6 L7 L8 L9 L10 L11 L12 L13 L14 L15 L16: library part L
Q1 Q2 Q3 Q4 Q5 Q6 Q7 Q8 Q9 Q10 Q11 Q12 Q13 Q14 Q15 Q16 Q17 Q18 Q19 Q20 Q21 Q22 Q23 Q24 Q25 Q26 Q27 Q28 Q29 Q30 Q31 Q32 Q33 Q34 Q35 Q36 Q37 Q38 Q39 Q40 Q41 Q42 Q43 Q44 Q45 Q46 Q47 Q48: library part TRA000001604
Q49 Q50 Q51 Q52 Q53: library part TRA000001460
R1 R2 R3 R19: library part RES000005659
R4 R6 R9 R10: library part RES000008663
R5: library part RES000006261
R7 R8 R18 R20 R21 R22 R23 R24 R29: library part RES000006462
R11: library part RES000008926
R12: library part RES000007051
R13: library part RES000006922
R14 R15: library part RES000008756
R16 R27: library part RES000001590
R17 R28: library part RES000006287
R25 R26 R30 R31: library part RES000006349
R37 R39 R41 R43: library part RES000001446
TP1 TP2 TP3 TP4 TP5 TP6 TP7 TP8 TP9 TP10 TP11 TP12 TP13 TP14 TP15 TP16 TP17 TP18 TP19 TP20 TP21 TP22 TP23 TP24 TP25 TP123 TP124 TP125 TP126 TP127 TP128 TP129 TP131 TP132: library part TPO000000001
U1 U2 U3 U4: library part IC_RockerBox
U5: library part PSU000000126
U6: library part PSU000000127
U7: library part PSU000000129
U8: library part PSU000000031
U9 U29: library part PSU000000128
U10: library part MCU000000070
U11 U12 U13 U14 U15 U16 U17 U18 U19 U20 U21 U22 U23 U24 U25 U26: library part DRV000000079
U27 U34: library part IC_TXB0302
U28: library part PSU000000125
U30 U31 U32 U33: library part DIG000000005
Y1: library part OSC000000012
Y2 Y3 Y4 Y5: library part XTAL
YO1 YO2 YO3 YO4 YO5 YO6 YO7 YO8 YO9 YO10 YO11 YO12: library part XTAL_OE1GND2OSC3VDD4